# Altium PCB RTD_12POS_WPS.PcbDoc (part 1 of 2) (continued)
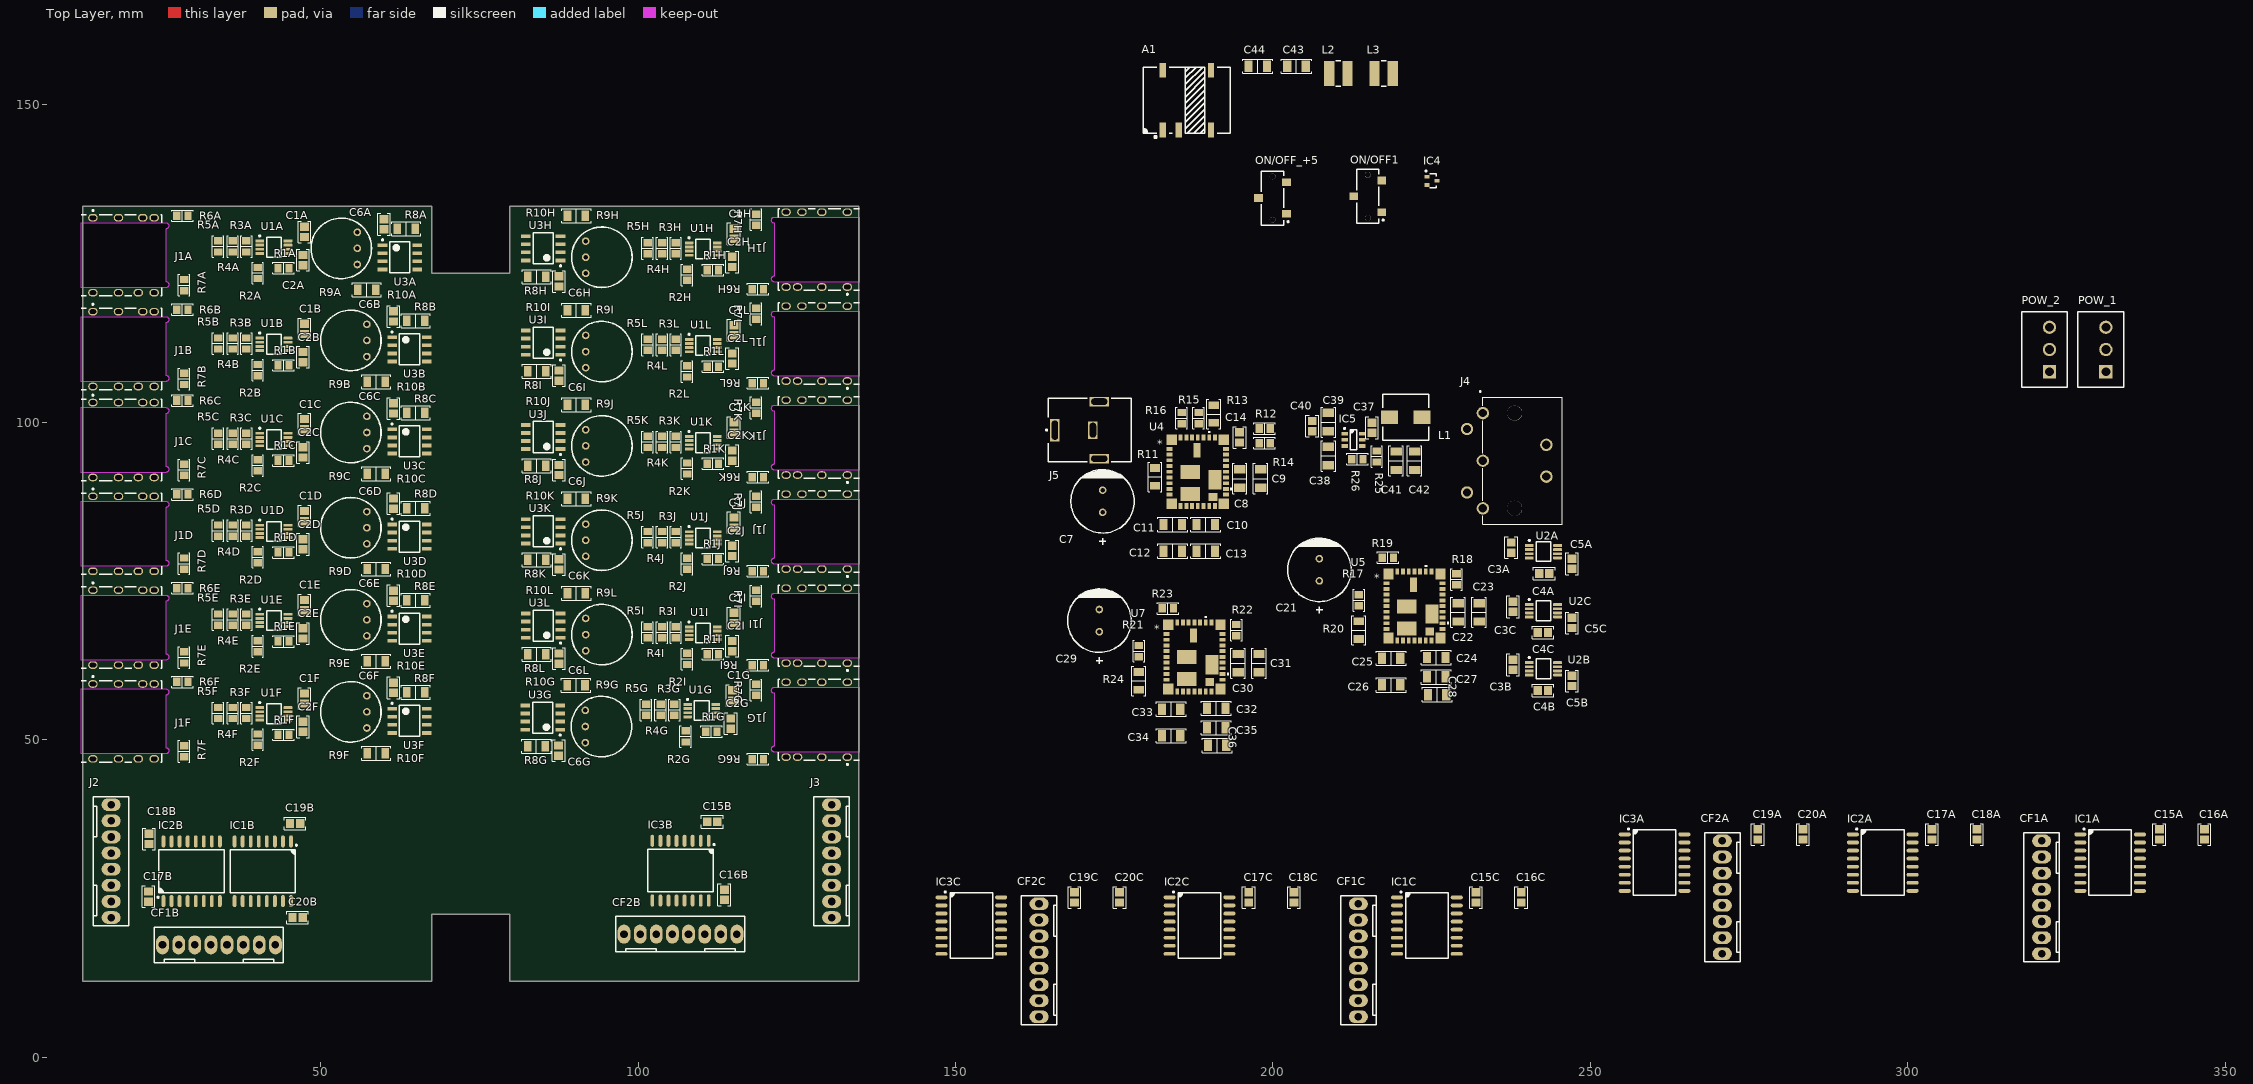
[diagram p0: Top Layer view]
## Components (designator, comment, footprint, x,y, rotation, side; value= is the part's Value field where it differs from the comment)
A1 "NXJ1S0505MC-R7" "MURATA NXJ1" 187.706,150.749 r0 top
C1A "0.1uF" "CAP 0805/2012" 47.464,130.009 r270 top (schematic designator C1)
C1B "0.1uF" "CAP 0805/2012" 47.464,114.715 r270 top (schematic designator C1)
C1C "0.1uF" "CAP 0805/2012" 47.464,99.715 r270 top (schematic designator C1)
C1D "0.1uF" "CAP 0805/2012" 47.464,85.245 r270 top (schematic designator C1)
C1E "0.1uF" "CAP 0805/2012" 47.464,71.215 r270 top (schematic designator C1)
C1F "0.1uF" "CAP 0805/2012" 47.464,56.509 r270 top (schematic designator C1)
C1G "0.1uF" "CAP 0805/2012" 114.859,57.009 r270 top (schematic designator C1)
C1H "0.1uF" "CAP 0805/2012" 115.089,129.715 r270 top
C1I "0.1uF" "CAP 0805/2012" 115.089,69.215 r270 top (schematic designator C1)
C1J "0.1uF" "CAP 0805/2012" 115.089,84.215 r270 top
C1K "0.1uF" "CAP 0805/2012" 115.089,99.215 r270 top (schematic designator C1)
C1L "0.1uF" "CAP 0805/2012" 115.089,114.509 r270 top
C2A "0.1uF" "CAP 0805/2012" 47.21,125.564 r90 top (schematic designator C2)
C2B "0.1uF" "CAP 0805/2012" 47.21,110.27 r90 top (schematic designator C2)
C2C "0.1uF" "CAP 0805/2012" 47.21,95.27 r90 top (schematic designator C2)
C2D "0.1uF" "CAP 0805/2012" 47.21,80.8 r90 top (schematic designator C2)
C2E "0.1uF" "CAP 0805/2012" 47.21,66.77 r90 top (schematic designator C2)
C2F "0.1uF" "CAP 0805/2012" 47.21,52.064 r90 top (schematic designator C2)
C2G "0.1uF" "CAP 0805/2012" 114.605,52.564 r90 top (schematic designator C2)
C2H "0.1uF" "CAP 0805/2012" 114.835,125.27 r90 top
C2I "0.1uF" "CAP 0805/2012" 114.835,64.77 r90 top (schematic designator C2)
C2J "0.1uF" "CAP 0805/2012" 114.835,79.77 r90 top
C2K "0.1uF" "CAP 0805/2012" 114.835,94.77 r90 top (schematic designator C2)
C2L "0.1uF" "CAP 0805/2012" 114.835,110.064 r90 top
C3A "1uF" "CAP 0805/2012" 237.541,80.273 r90 top (schematic designator C3)
C3B "1uF" "CAP 0805/2012" 237.814,61.82 r90 top (schematic designator C3)
C3C "1uF" "CAP 0805/2012" 237.814,70.964 r90 top (schematic designator C3)
C4A "1uF" "CAP 0805/2012" 242.736,76.209 r0 top (schematic designator C4)
C4B "1uF" "CAP 0805/2012" 242.513,57.756 r0 top (schematic designator C4)
C4C "1uF" "CAP 0805/2012" 242.513,66.9 r0 top (schematic designator C4)
C5A "1uF" "CAP 0805/2012" 247.085,77.733 r90 top (schematic designator C5)
C5B "1uF" "CAP 0805/2012" 247.085,59.28 r90 top (schematic designator C5)
C5C "1uF" "CAP 0805/2012" 247.085,68.424 r90 top (schematic designator C5)
C6A "0.1uF" "CAP 0805/2012" 60,131.2 r270 top (schematic designator C6)
C6B "0.1uF" "CAP 0805/2012" 61.5,116.7 r270 top (schematic designator C6)
C6C "0.1uF" "CAP 0805/2012" 61.5,102.2 r270 top (schematic designator C6)
C6D "0.1uF" "CAP 0805/2012" 61.5,87.2 r270 top (schematic designator C6)
C6E "0.1uF" "CAP 0805/2012" 61.5,72.7 r270 top (schematic designator C6)
C6F "0.1uF" "CAP 0805/2012" 61.5,58.2 r270 top (schematic designator C6)
C6G "0.1uF" "CAP 0805/2012" 87.5,48.3 r90 top (schematic designator C6)
C6H "0.1uF" "CAP 0805/2012" 87.557,122.217 r90 top
C6I "0.1uF" "CAP 0805/2012" 87.557,107.358 r90 top (schematic designator C6)
C6J "0.1uF" "CAP 0805/2012" 87.557,92.499 r90 top
C6K "0.1uF" "CAP 0805/2012" 87.557,77.64 r90 top (schematic designator C6)
C6L "0.1uF" "CAP 0805/2012" 87.557,62.781 r90 top
C7 "22uF" "CAP AL TH D8 L3.5 H11.5" 173.171,85.823 r90 top
C8 "4.7uF" "CAP 1206/3216 - 1.0MM" 194.761,91.157 r270 top
C9 "4.7uF" "CAP 1206/3216 - 1.0MM" 198.063,91.157 r270 top
C10 "22uF" "CAP 1206/3216" 189.427,83.918 r180 top
C11 "22uF" "CAP 1206/3216" 184.22,83.918 r0 top
C12 "22uF" "CAP 1206/3216" 184.22,79.727 r0 top
C13 "22uF" "CAP 1206/3216" 189.427,79.727 r180 top
C14 "0.022uF" "CAP 0805/2012" 194.761,97.634 r270 top
C15A "0.1uF" "CAP 0805/2012" 339.614,35.1 r90 top (schematic designator C15)
C15B "0.1uF" "CAP 0805/2012" 111.695,37.1 r180 top
C15C "0.1uF" "CAP 0805/2012" 231.998,25.182 r90 top (schematic designator C15)
C16A "0.1uF" "CAP 0805/2012" 346.726,35.1 r90 top (schematic designator C16)
C16B "0.1uF" "CAP 0805/2012" 113.595,25.6 r90 top
C16C "0.1uF" "CAP 0805/2012" 239.11,25.182 r90 top (schematic designator C16)
C17A "0.1uF" "CAP 0805/2012" 303.8,35.1 r90 top (schematic designator C17)
C17B "0.1uF" "CAP 0805/2012" 22.895,25.3 r270 top
C17C "0.1uF" "CAP 0805/2012" 196.184,25.182 r90 top (schematic designator C17)
C18A "0.1uF" "CAP 0805/2012" 310.912,35.1 r90 top (schematic designator C18)
C18B "0.1uF" "CAP 0805/2012" 22.995,34.4 r90 top
C18C "0.1uF" "CAP 0805/2012" 203.296,25.182 r90 top (schematic designator C18)
C19A "0.1uF" "CAP 0805/2012" 276.368,35.1 r90 top (schematic designator C19)
C19B "0.1uF" "CAP 0805/2012" 45.995,36.8 r180 top
C19C "0.1uF" "CAP 0805/2012" 168.752,25.182 r90 top (schematic designator C19)
C20A "0.1uF" "CAP 0805/2012" 283.48,35.1 r90 top (schematic designator C20)
C20B "0.1uF" "CAP 0805/2012" 46.395,22 r180 top
C20C "0.1uF" "CAP 0805/2012" 175.864,25.182 r90 top (schematic designator C20)
C21 "22uF" "CAP AL TH D8 L3.5 H11.5" 207.32,75.028 r90 top
C22 "4.7uF" "CAP 1206/3216 - 1.0MM" 229.164,70.075 r270 top
C23 "4.7uF" "CAP 1206/3216 - 1.0MM" 232.466,70.075 r270 top
C24 "2.2uF" "CAP 1206/3216" 225.735,62.963 r0 top
C25 "22uF" "CAP 1206/3216" 218.623,62.836 r0 top
C26 "22uF" "CAP 1206/3216" 218.623,58.645 r0 top
C27 "22uF" "CAP 1206/3216" 225.735,59.915 r180 top
C28 "22uF" "CAP 1206/3216" 225.862,57.121 r180 top
C29 "22uF" "CAP AL TH D8 L3.5 H11.5" 172.663,67.027 r90 top
C30 "4.7uF" "CAP 1206/3216 - 1.0MM" 194.507,62.074 r270 top
C31 "4.7uF" "CAP 1206/3216 - 1.0MM" 197.809,62.074 r270 top
C32 "2.2uF" "CAP 1206/3216" 191.078,54.962 r0 top
C33 "22uF" "CAP 1206/3216" 183.966,54.835 r0 top
C34 "22uF" "CAP 1206/3216" 183.966,50.644 r0 top
C35 "22uF" "CAP 1206/3216" 191.078,51.914 r180 top
C36 "22uF" "CAP 1206/3216" 191.205,49.12 r180 top
C37 "0.1uF" "CAP 0805/2012" 215.589,99.158 r90 top
C38 "10uF" "CAP 1206/3216" 208.731,94.713 r90 top
C39 "10uF" "CAP 1206/3216" 208.731,100.047 r270 top
C40 "0.1uF" "CAP 0805/2012" 206.191,99.412 r270 top
C41 "22uF" "CAP 1206/3216" 219.399,93.951 r90 top
C42 "22uF" "CAP 1206/3216" 222.32,93.951 r90 top
C43 "2.2uF" "CAP 1206/3216" 203.708,156.083 r0 top
C44 "4.7uF" "CAP 1206/3216 - 1.8MM" 197.612,156.083 r0 top
CF1A "0022272081" "MOLEX KK 0022272081" 321.072,25.194 r90 top (schematic designator CF1)
CF1B "0022272081" "MOLEX KK 0022272081" 33.995,17.7 r0 top
CF1C "0022272081" "MOLEX KK 0022272081" 213.456,15.276 r90 top (schematic designator CF1)
CF2A "0022272081" "MOLEX KK 0022272081" 270.78,25.194 r90 top (schematic designator CF2)
CF2B "0022272081" "MOLEX KK 0022272081" 106.685,19.4 r0 top
CF2C "0022272081" "MOLEX KK 0022272081" 163.164,15.276 r90 top (schematic designator CF2)
IC1A "SI8640BD-B-IS" "SI LABS SOIC-16 WIDE" 331.867,30.655 r0 top (schematic designator IC1)
IC1B "SI8640BD-B-IS" "SI LABS SOIC-16 WIDE" 40.895,29.3 r270 top
IC1C "SI8640BD-B-IS" "SI LABS SOIC-16 WIDE" 224.251,20.737 r0 top (schematic designator IC1)
IC2A "SI8640BD-B-IS" "SI LABS SOIC-16 WIDE" 296.053,30.655 r0 top (schematic designator IC2)
IC2B "SI8640BD-B-IS" "SI LABS SOIC-16 WIDE" 29.695,29.3 r90 top
IC2C "SI8640BD-B-IS" "SI LABS SOIC-16 WIDE" 188.437,20.737 r0 top (schematic designator IC2)
IC3A "SI8640BD-B-IS" "SI LABS SOIC-16 WIDE" 260.112,30.655 r0 top (schematic designator IC3)
IC3B "SI8640BD-B-IS" "SI LABS SOIC-16 WIDE" 106.695,29.4 r270 top
IC3C "SI8640BD-B-IS" "SI LABS SOIC-16 WIDE" 152.496,20.737 r0 top (schematic designator IC3)
IC4 "BSS138WH6327XTSA1" "INFINEON SOT-323-3" 225.044,138.049 r0 top
IC5 "TPS563201DDCT" "TI SOT-23-6 DDC" 212.668,97.253 r0 top
J1A "SJ-3506-SMT-TR" CUI-SJ-3506-SMT-TR_V 18.965,126.325 r0 top (schematic designator J1)
J1B "SJ-3506-SMT-TR" CUI-SJ-3506-SMT-TR_V 18.965,111.55 r0 top (schematic designator J1)
J1C "SJ-3506-SMT-TR" CUI-SJ-3506-SMT-TR_V 18.965,97.226 r0 top (schematic designator J1)
J1D "SJ-3506-SMT-TR" CUI-SJ-3506-SMT-TR_V 18.965,82.451 r0 top (schematic designator J1)
J1E "SJ-3506-SMT-TR" CUI-SJ-3506-SMT-TR_V 18.965,67.675 r0 top (schematic designator J1)
J1F "SJ-3506-SMT-TR" CUI-SJ-3506-SMT-TR_V 18.965,52.9 r0 top (schematic designator J1)
J1G "SJ-3506-SMT-TR" CUI-SJ-3506-SMT-TR_V 128.146,53.175 r180 top (schematic designator J1)
J1H "SJ-3506-SMT-TR" CUI-SJ-3506-SMT-TR_V 128.146,127.223 r180 top (schematic designator J1)
J1I "SJ-3506-SMT-TR" CUI-SJ-3506-SMT-TR_V 128.146,67.985 r180 top (schematic designator J1)
J1J "SJ-3506-SMT-TR" CUI-SJ-3506-SMT-TR_V 128.146,82.794 r180 top (schematic designator J1)
J1K "SJ-3506-SMT-TR" CUI-SJ-3506-SMT-TR_V 128.146,97.604 r180 top (schematic designator J1)
J1L "SJ-3506-SMT-TR" CUI-SJ-3506-SMT-TR_V 128.146,112.413 r180 top (schematic designator J1)
J2 "0022272081" "MOLEX KK 0022272081" 17,30.89 r270 top
J3 "0022272081" "MOLEX KK 0022272081" 130.5,30.89 r90 top
J4 "SDS-50J" "CUI SDS-50J" 233.068,93.958 r90 top
J5 "PJ-063AH" CUI-PJ-063AH_V 171.647,98.777 r0 top
L1 "3.3uH" "WURTH WE-HCI 7050" 220.923,100.809 r0 top
L2 "VLCF4024T-4R7N1R4-2" "TDK VLCF4024-2" 210.312,154.94 r0 top value=4.7uH
L3 "VLCF4024T-100MR90-2" "TDK VLCF4024-2" 217.424,154.94 r0 top value=10uH
ON/OFF1 "CL-SB-12B-01T" SW_CL-SB-12B-01 215.392,135.636 r90 top
ON/OFF_+5 "CL-SB-12B-01T" SW_CL-SB-12B-01 200.406,135.382 r90 top
POW_1 "691321100003" 691321100003 330.397,111.477 r90 top
POW_2 "691321100003" 691321100003 321.507,111.477 r90 top
R1A "4.99k" "RES 0805/2012" 44.162,124.294 r0 top (schematic designator R1)
R1B "4.99k" "RES 0805/2012" 44.162,109 r0 top (schematic designator R1)
R1C "4.99k" "RES 0805/2012" 44.162,94 r0 top (schematic designator R1)
R1D "4.99k" "RES 0805/2012" 44.162,79.53 r0 top (schematic designator R1)
R1E "4.99k" "RES 0805/2012" 44.162,65.5 r0 top (schematic designator R1)
R1F "4.99k" "RES 0805/2012" 44.162,50.794 r0 top (schematic designator R1)
R1G "4.99k" "RES 0805/2012" 111.557,51.294 r0 top (schematic designator R1)
R1H "4.99k" "RES 0805/2012" 111.787,124 r0 top
R1I "4.99k" "RES 0805/2012" 111.787,63.5 r0 top (schematic designator R1)
R1J "4.99k" "RES 0805/2012" 111.787,78.5 r0 top
R1K "4.99k" "RES 0805/2012" 111.787,93.5 r0 top (schematic designator R1)
R1L "4.99k" "RES 0805/2012" 111.787,108.794 r0 top
R2A "4.99k" "RES 0805/2012" 40.098,123.532 r90 top (schematic designator R2)
R2B "4.99k" "RES 0805/2012" 40.098,108.238 r90 top (schematic designator R2)
R2C "4.99k" "RES 0805/2012" 40.098,93.238 r90 top (schematic designator R2)
R2D "4.99k" "RES 0805/2012" 40.098,78.768 r90 top (schematic designator R2)
R2E "4.99k" "RES 0805/2012" 40.098,64.738 r90 top (schematic designator R2)
R2F "4.99k" "RES 0805/2012" 40.098,50.032 r90 top (schematic designator R2)
R2G "4.99k" "RES 0805/2012" 107.493,50.532 r90 top (schematic designator R2)
R2H "4.99k" "RES 0805/2012" 107.723,123.238 r90 top
R2I "4.99k" "RES 0805/2012" 107.723,62.738 r90 top (schematic designator R2)
R2J "4.99k" "RES 0805/2012" 107.723,77.738 r90 top
R2K "4.99k" "RES 0805/2012" 107.723,92.738 r90 top (schematic designator R2)
R2L "4.99k" "RES 0805/2012" 107.723,108.032 r90 top
R3A "118" "RES 0805/2012" 38.32,127.723 r90 top (schematic designator R3)
R3B "118" "RES 0805/2012" 38.32,112.429 r90 top (schematic designator R3)
R3C "118" "RES 0805/2012" 38.32,97.429 r90 top (schematic designator R3)
R3D "118" "RES 0805/2012" 38.32,82.959 r90 top (schematic designator R3)
R3E "118" "RES 0805/2012" 38.32,68.929 r90 top (schematic designator R3)
R3F "118" "RES 0805/2012" 38.32,54.223 r90 top (schematic designator R3)
R3G "118" "RES 0805/2012" 105.715,54.723 r90 top (schematic designator R3)
R3H "118" "RES 0805/2012" 105.945,127.429 r90 top
R3I "118" "RES 0805/2012" 105.945,66.929 r90 top (schematic designator R3)
R3J "118" "RES 0805/2012" 105.945,81.929 r90 top
R3K "118" "RES 0805/2012" 105.945,96.929 r90 top (schematic designator R3)
R3L "118" "RES 0805/2012" 105.945,112.223 r90 top
R4A "107" "RES 0805/2012" 36.161,127.723 r90 top (schematic designator R4)
R4B "107" "RES 0805/2012" 36.161,112.429 r90 top (schematic designator R4)
R4C "107" "RES 0805/2012" 36.161,97.429 r90 top (schematic designator R4)
R4D "107" "RES 0805/2012" 36.161,82.959 r90 top (schematic designator R4)
R4E "107" "RES 0805/2012" 36.161,68.929 r90 top (schematic designator R4)
R4F "107" "RES 0805/2012" 36.161,54.223 r90 top (schematic designator R4)
R4G "107" "RES 0805/2012" 103.556,54.723 r90 top (schematic designator R4)
R4H "107" "RES 0805/2012" 103.786,127.429 r90 top
R4I "107" "RES 0805/2012" 103.786,66.929 r90 top (schematic designator R4)
R4J "107" "RES 0805/2012" 103.786,81.929 r90 top
R4K "107" "RES 0805/2012" 103.786,96.929 r90 top (schematic designator R4)
R4L "107" "RES 0805/2012" 103.786,112.223 r90 top
R5A "10.2k" "RES 0805/2012" 33.875,127.723 r90 top (schematic designator R5)
R5B "10.2k" "RES 0805/2012" 33.875,112.429 r90 top (schematic designator R5)
R5C "10.2k" "RES 0805/2012" 33.875,97.429 r90 top (schematic designator R5)
R5D "10.2k" "RES 0805/2012" 33.875,82.959 r90 top (schematic designator R5)
R5E "10.2k" "RES 0805/2012" 33.875,68.929 r90 top (schematic designator R5)
R5F "10.2k" "RES 0805/2012" 33.875,54.223 r90 top (schematic designator R5)
R5G "10.2k" "RES 0805/2012" 101.27,54.723 r90 top (schematic designator R5)
R5H "10.2k" "RES 0805/2012" 101.5,127.429 r90 top
R5I "10.2k" "RES 0805/2012" 101.5,66.929 r90 top (schematic designator R5)
R5J "10.2k" "RES 0805/2012" 101.5,81.929 r90 top
R5K "10.2k" "RES 0805/2012" 101.5,96.929 r90 top (schematic designator R5)
R5L "10.2k" "RES 0805/2012" 101.5,112.223 r90 top
R6A "15.8k" "RES 0805/2012" 28.236,132.548 r180 top (schematic designator R6)
R6B "15.8k" "RES 0805/2012" 28.236,117.773 r180 top (schematic designator R6)
R6C "15.8k" "RES 0805/2012" 28.236,103.449 r180 top (schematic designator R6)
R6D "15.8k" "RES 0805/2012" 28.236,88.674 r180 top (schematic designator R6)
R6E "15.8k" "RES 0805/2012" 28.236,73.898 r180 top (schematic designator R6)
R6F "15.8k" "RES 0805/2012" 28.236,59.123 r180 top (schematic designator R6)
R6G "15.8k" "RES 0805/2012" 118.875,46.952 r0 top (schematic designator R6)
R6H "15.8k" "RES 0805/2012" 118.875,121 r0 top (schematic designator R6)
R6I "15.8k" "RES 0805/2012" 118.875,61.762 r0 top (schematic designator R6)
R6J "15.8k" "RES 0805/2012" 118.875,76.571 r0 top (schematic designator R6)
R6K "15.8k" "RES 0805/2012" 118.875,91.381 r0 top (schematic designator R6)
R6L "15.8k" "RES 0805/2012" 118.875,106.19 r0 top (schematic designator R6)
R7A "15.8k" "RES 0805/2012" 28.5,121.625 r270 top (schematic designator R7)
R7B "15.8k" "RES 0805/2012" 28.5,106.85 r270 top (schematic designator R7)
R7C "15.8k" "RES 0805/2012" 28.5,92.526 r270 top (schematic designator R7)
R7D "15.8k" "RES 0805/2012" 28.5,77.751 r270 top (schematic designator R7)
R7E "15.8k" "RES 0805/2012" 28.5,62.975 r270 top (schematic designator R7)
R7F "15.8k" "RES 0805/2012" 28.5,48.2 r270 top (schematic designator R7)
R7G "15.8k" "RES 0805/2012" 118.611,57.875 r90 top (schematic designator R7)
R7H "15.8k" "RES 0805/2012" 118.611,131.923 r90 top (schematic designator R7)
R7I "15.8k" "RES 0805/2012" 118.611,72.685 r90 top (schematic designator R7)
R7J "15.8k" "RES 0805/2012" 118.611,87.494 r90 top (schematic designator R7)
R7K "15.8k" "RES 0805/2012" 118.611,102.304 r90 top (schematic designator R7)
R7L "15.8k" "RES 0805/2012" 118.611,117.113 r90 top (schematic designator R7)
R8A "1k" "RES 1206/3216" 63.5,130.5 r0 top (schematic designator R8)
R8B "1k" "RES 1206/3216" 65,116 r0 top (schematic designator R8)
R8C "1k" "RES 1206/3216" 65,101.5 r0 top (schematic designator R8)
R8D "1k" "RES 1206/3216" 65,86.5 r0 top (schematic designator R8)
R8E "1k" "RES 1206/3216" 65,72 r0 top (schematic designator R8)
R8F "1k" "RES 1206/3216" 65,57.5 r0 top (schematic designator R8)
R8G "1k" "RES 1206/3216" 84,49 r180 top (schematic designator R8)
R8H "1k" "RES 1206/3216" 84.057,122.917 r180 top
R8I "1k" "RES 1206/3216" 84.057,108.058 r180 top (schematic designator R8)
R8J "1k" "RES 1206/3216" 84.057,93.199 r180 top
R8K "1k" "RES 1206/3216" 84.057,78.34 r180 top (schematic designator R8)
R8L "1k" "RES 1206/3216" 84.057,63.481 r180 top
R9A "20k" "POT MODEL91A" 53.26,127.405 r90 top (schematic designator R9)
R9B "20k" "POT MODEL91A" 54.76,112.905 r90 top (schematic designator R9)
R9C "20k" "POT MODEL91A" 54.76,98.405 r90 top (schematic designator R9)
R9D "20k" "POT MODEL91A" 54.76,83.405 r90 top (schematic designator R9)
R9E "20k" "POT MODEL91A" 54.76,68.905 r90 top (schematic designator R9)
R9F "20k" "POT MODEL91A" 54.76,54.405 r90 top (schematic designator R9)
R9G "20k" "POT MODEL91A" 94.24,52.095 r270 top (schematic designator R9)
R9H "20k" "POT MODEL91A" 94.297,126.012 r270 top
R9I "20k" "POT MODEL91A" 94.297,111.153 r270 top (schematic designator R9)
R9J "20k" "POT MODEL91A" 94.297,96.294 r270 top
R9K "20k" "POT MODEL91A" 94.297,81.435 r270 top (schematic designator R9)
R9L "20k" "POT MODEL91A" 94.297,66.576 r270 top
R10A "510k" "RES 1206/3216" 57.26,120.905 r0 top (schematic designator R10)
R10B "510k" "RES 1206/3216" 58.76,106.405 r0 top (schematic designator R10)
R10C "510k" "RES 1206/3216" 58.76,91.905 r0 top (schematic designator R10)
R10D "510k" "RES 1206/3216" 58.76,76.905 r0 top (schematic designator R10)
R10E "510k" "RES 1206/3216" 58.76,62.405 r0 top (schematic designator R10)
R10F "510k" "RES 1206/3216" 58.76,47.905 r0 top (schematic designator R10)
R10G "510k" "RES 1206/3216" 90.24,58.595 r180 top (schematic designator R10)
R10H "510k" "RES 1206/3216" 90.297,132.512 r180 top
R10I "510k" "RES 1206/3216" 90.297,117.653 r180 top (schematic designator R10)
R10J "510k" "RES 1206/3216" 90.297,102.794 r180 top
R10K "510k" "RES 1206/3216" 90.297,87.935 r180 top (schematic designator R10)
R10L "510k" "RES 1206/3216" 90.297,73.076 r180 top
R11 "0.0" "RES 1206/3216" 181.426,91.411 r90 top
R12 "174k" "RES 0805/2012" 198.698,99.031 r0 top
R13 "267k" "RES 1206/3216" 190.697,101.317 r270 top
R14 "15.8k" "RES 0805/2012" 198.698,96.745 r180 top
R15 "15.8k" "RES 0805/2012" 188.284,100.682 r90 top
R16 "140k" "RES 0805/2012" 185.617,100.682 r90 top
R17 "174k" "RES 0805/2012" 213.543,71.98 r90 top
R18 "24.3k" "RES 0805/2012" 228.91,75.282 r270 top
R19 "52.3k" "RES 0805/2012" 218.115,78.711 r180 top
R20 "0.0" "RES 1206/3216" 213.543,67.281 r270 top
R21 "174k" "RES 0805/2012" 178.886,63.979 r90 top
R22 "24.3k" "RES 0805/2012" 194.253,67.281 r270 top
R23 "140k" "RES 0805/2012" 183.458,70.71 r180 top
R24 "0.0" "RES 1206/3216" 178.886,59.28 r270 top
R25 "54.9k" "RES 0805/2012" 216.351,94.626 r270 top
R26 "10k" "RES 0805/2012" 213.303,94.205 r0 top
U1A "INA826AIDGKR" DGK0008A_N 42.638,127.596 r0 top (schematic designator U1)
U1B "INA826AIDGKR" DGK0008A_N 42.638,112.302 r0 top (schematic designator U1)
U1C "INA826AIDGKR" DGK0008A_N 42.638,97.302 r0 top (schematic designator U1)
U1D "INA826AIDGKR" DGK0008A_N 42.638,82.832 r0 top (schematic designator U1)
U1E "INA826AIDGKR" DGK0008A_N 42.638,68.802 r0 top (schematic designator U1)
U1F "INA826AIDGKR" DGK0008A_N 42.638,54.096 r0 top (schematic designator U1)
U1G "INA826AIDGKR" DGK0008A_N 110.033,54.596 r0 top (schematic designator U1)
U1H "INA826AIDGKR" DGK0008A_N 110.263,127.302 r0 top
U1I "INA826AIDGKR" DGK0008A_N 110.263,66.802 r0 top (schematic designator U1)
U1J "INA826AIDGKR" DGK0008A_N 110.263,81.802 r0 top
U1K "INA826AIDGKR" DGK0008A_N 110.263,96.802 r0 top (schematic designator U1)
U1L "INA826AIDGKR" DGK0008A_N 110.263,112.096 r0 top
U2A "REF5050IDGKT" DGK0008A_N 242.602,79.638 r0 top (schematic designator U2)
U2B "REF5050IDGKT" DGK0008A_N 242.602,61.185 r0 top (schematic designator U2)
U2C "REF5050IDGKT" DGK0008A_N 242.602,70.329 r0 top (schematic designator U2)
U3A "LM311DR2G" ONSC-SOIC-8-751-07_V 62.5,126 r0 top (schematic designator U3)
U3B "LM311DR2G" ONSC-SOIC-8-751-07_V 64,111.5 r0 top (schematic designator U3)
U3C "LM311DR2G" ONSC-SOIC-8-751-07_V 64,97 r0 top (schematic designator U3)
U3D "LM311DR2G" ONSC-SOIC-8-751-07_V 64,82 r0 top (schematic designator U3)
U3E "LM311DR2G" ONSC-SOIC-8-751-07_V 64,67.5 r0 top (schematic designator U3)
U3F "LM311DR2G" ONSC-SOIC-8-751-07_V 64,53 r0 top (schematic designator U3)
U3G "LM311DR2G" ONSC-SOIC-8-751-07_V 85,53.5 r180 top (schematic designator U3)
U3H "LM311DR2G" ONSC-SOIC-8-751-07_V 85.057,127.417 r180 top
U3I "LM311DR2G" ONSC-SOIC-8-751-07_V 85.057,112.558 r180 top (schematic designator U3)
U3J "LM311DR2G" ONSC-SOIC-8-751-07_V 85.057,97.699 r180 top
U3K "LM311DR2G" ONSC-SOIC-8-751-07_V 85.057,82.84 r180 top (schematic designator U3)
U3L "LM311DR2G" ONSC-SOIC-8-751-07_V 85.057,67.981 r180 top
U4 "LMZ34003" RKG41 188.165,92.227 r0 top value=Value
U5 "LMZ34002RKGT" RKG41 222.281,71.069 r0 top value=Value
U7 "LMZ34002RKGT" RKG41 187.624,63.068 r0 top value=Value

## Footprints (in the part's own frame and the unit in brackets; to place one, negate y for a bottom-side part, rotate by r counter-clockwise, add the part's x,y. Pads: shape width x height; smd on the part's side, far side on the other; paste and mask are expansions set on the pad)
691321100003 [mm] "Vertical PCB Header, pitch 3.5mm, 03p"
  rect 2.1x2.1 hole 1.4: 1(-3.5,-0.8)
  round 2.1 hole 1.4: 2(0,-0.8) 3(3.5,-0.8)
  silkscreen extent -5.95,-3.6 5.95,3.6, body extent -5.95,-3.6 5.95,3.6, height 9.3
"CAP 0805/2012" [mm] "Chip Capacitor, 2-Leads, Body 2.00x1.20mm, IPC Medium Density"
  rect 1.3x1.4 smd: 1(-0.8,0) 2(0.8,0)
  silkscreen extent -1.7,-1 1.7,1, body extent -1,-0.64 1,0.64, height 1.26
"CAP 1206/3216" [mm] "Chip Capacitor, 2-Leads, Body 3.25x1.60mm, IPC Medium Density"
  rect 1.3x1.8 smd: 1(-1.45,0) 2(1.45,0)
  silkscreen extent -2.37,-1.12 2.37,1.12, body extent -1.6,-0.81 1.6,0.81, height 1.62
"CAP 1206/3216 - 1.0MM" [mm] "Chip Capacitor, 2-Leads, Body 3.25x1.60mm, IPC Medium Density"
  rect 1.3x1.8 smd: 1(-1.45,0) 2(1.45,0)
  silkscreen extent -2.37,-1.12 2.37,1.12, body extent -1.6,-0.8 1.6,0.8, height 1
"CAP 1206/3216 - 1.8MM" [mm] "Chip Capacitor, 2-Leads, Body 3.25x1.60mm, IPC Medium Density"
  rect 1.3x1.8 smd: 1(-1.45,0) 2(1.45,0)
  silkscreen extent -2.37,-1.12 2.37,1.12, body extent -1.6,-0.8 1.6,0.8, height 1.8
"CAP AL TH D8 L3.5 H11.5" [mm]
  round 1.2 hole 0.7: 1(0,0) 2(3.5,0)
  silkscreen extent -5.06,-5 6.75,5
"CUI SDS-50J" [mm]
  round 1.95 hole 1.3: 1(7.5,0) 2(0,0) 3(-7.5,0) 4(5,2.5) 5(-5,2.5) S1(-2.5,-10) S2(2.5,-10)
  round 2.4 hole 2.4 unplated: None(-7.5,-5) None(7.5,-5)
  silkscreen extent -10,-12.5 11,0.5, body extent -10,-12.5 10,3, height 21.2
CUI-PJ-063AH_V [mm] "THD, 2-Leads, Body 13x10mm, Height 9mm"
  rect 1.5x3.5 hole 1 slot 3 at 90 deg: 1(-6,0)
  rect 1.5x2.8 hole 1 slot 2.3 at 90 deg: 2(0,0)
  rect 3x1.5 hole 1 slot 2.5 at 0 deg: 3(1,4.5) 4(1,-4.5)
  round 1.4 hole 1.7 unplated: 5(3,0)
  silkscreen extent -7.42,-5 6,5, body extent -7,-5.15 6,5.15, height 9
CUI-SJ-3506-SMT-TR_V [mm] "Jack, 6-Leads, Body 15.4x12.8mm"
  oval 1.5x1.2 hole 0.7 slot 1 at 0 deg unplated paste-1: 1(-4.825,5.9) 2(3.025,5.9) 3(4.825,-5.9) 4(2.325,-5.9) 5(-4.825,-5.9) 6(4.825,5.9) 7(-0.795,5.9) 8(-0.795,-5.9)
  Keep-Out Layer board cut-out: -6.675,5.125 6.625,5.125 6.671,5.123 6.716,5.117 6.76,5.106 6.803,5.092 6.846,5.074 6.886,5.052 6.924,5.026 6.959,4.997 6.98,4.977 6.999,4.957 7.034,4.913 7.062,4.867 7.085,4.821 7.103,4.773 7.115,4.724 7.123,4.675 7.125,4.625 7.123,4.581 7.117,4.537 7.107,4.493 7.094,4.45 7.076,4.408 7.054,4.369 7.042,4.349 7.029,4.33 7.001,4.295 6.983,4.276 6.964,4.258 6.944,4.24 6.923,4.224 6.902,4.209 6.88,4.195 6.833,4.17 6.808,4.16 6.783,4.15 6.757,4.143 6.731,4.136 6.705,4.131 6.678,4.128 6.652,4.126 6.625,4.125 6.625,-4.125 6.65,-4.126 6.674,-4.127 6.723,-4.135 6.772,-4.147 6.817,-4.163 6.863,-4.185 6.907,-4.212 6.947,-4.242 6.983,-4.275 7.017,-4.314 7.046,-4.355 7.071,-4.398 7.081,-4.421 7.091,-4.443 7.099,-4.465 7.106,-4.488 7.117,-4.534 7.123,-4.581 7.125,-4.625 7.123,-4.671 7.117,-4.717 7.106,-4.762 7.092,-4.805 7.072,-4.849 7.06,-4.871 7.047,-4.892 7.034,-4.912 7.02,-4.932 6.989,-4.968 6.971,-4.986 6.952,-5.004 6.933,-5.019 6.912,-5.035 6.891,-5.049 6.869,-5.061 6.847,-5.073 6.824,-5.084 6.801,-5.093 6.777,-5.101 6.752,-5.109 6.727,-5.115 6.702,-5.119 6.677,-5.122 6.651,-5.124 6.625,-5.125 -6.675,-5.125
  silkscreen extent -6.67,-6.4 6.03,7.17, body extent -9.37,-6.4 6.03,6.4, height 3.26
DGK0008A_N [mm] "TSOP, 8-Leads, Body 3.1x3.1mm, Pitch 0.65mm, IPC Medium Density"
  rrect22% 1.35x0.45 smd: 1(-2.225,0.975) 2(-2.225,0.325) 3(-2.225,-0.325) 4(-2.225,-0.975) 5(2.225,-0.975) 6(2.225,-0.325) 7(2.225,0.325) 8(2.225,0.975)
  silkscreen extent -2.35,-1.55 1.15,1.9, body extent -2.45,-1.5 2.45,1.5, height 0.94
"INFINEON SOT-323-3" [mm] "SOT323, 3-Leads, Body 2.00x2.10mm, Pitch 0.65mm, IPC Medium Density"
  rect 0.8x0.6 smd: 1(-0.8,0.65) 2(0.8,0) 3(-0.8,-0.65)
  silkscreen extent -1.07,-1.1 0.67,1.67, body extent -1.06,-1 1.06,1, height 1
"MOLEX KK 0022272081" [mm]
  oval 2x3 hole 1.2: 1(-8.89,0) 2(-6.35,0) 3(-3.81,0) 4(-1.27,0) 5(1.27,0) 6(3.81,0) 7(6.35,0) 8(8.89,0)
  silkscreen extent -10.16,-2.79 10.16,2.79, body extent -10.16,-2.9 10.16,2.9, height 11.7
"MURATA NXJ1" [mm]
  rect 1x2.3 smd: 1(-5.08,-4.7) 3(-2.54,-4.7) 7(2.54,-4.7) 8(2.54,4.7) 14(-5.08,4.7)
  silkscreen extent -8.12,-5.9 5.6,5.21, body extent -8.13,-5.23 5.59,5.23, height 4.22
ONSC-SOIC-8-751-07_V [mm] "SOIC, 8-Leads, Body 4.9x3.9mm, Pitch 1.27mm"
  rect 1.52x0.6 smd: 1(-2.74,1.905) 2(-2.74,0.635) 3(-2.74,-0.635) 4(-2.74,-1.905) 5(2.74,-1.905) 6(2.74,-0.635) 7(2.74,0.635) 8(2.74,1.905)
  silkscreen extent -2.86,-2.45 1.58,2.88, body extent -1.95,-2.45 1.95,2.45, height 1.75
"POT MODEL91A" [mm]
  round 1.2 hole 0.7: 1(-2.54,-2.54) 2(0,-2.54) 3(2.54,-2.54)
  silkscreen extent -4.76,-4.76 4.76,4.76, body extent -4.68,-4.88 4.68,4.7, height 4.89
"RES 0805/2012" [mm] "Chip Resistor, 2-Leads, Body 2.00x1.25mm, IPC Medium Density"
  rect 1.15x1.35 smd: 1(-0.875,0) 2(0.875,0)
  silkscreen extent -1.7,-0.9 1.7,0.9, body extent -0.95,-0.62 1.05,0.63, height 0.6
"RES 1206/3216" [mm] "Chip Resistor, 2-Leads, Body 3.13x1.55mm, IPC Medium Density"
  rect 1.2x1.65 smd: 1(-1.4,0) 2(1.4,0)
  silkscreen extent -2.3,-1.1 2.3,1.1, body extent -1.57,-0.8 1.62,0.8, height 0.6
RKG41 [mm]
  rect 1.6x1.7 smd paste-0.837: 1(-4.1,5.05) 11(-4.1,-5.05) 19(4.1,-5.05) 29(4.1,5.05)
  rect 0.95x0.6 smd paste-0.3: 2(-4.42,3.6) 3(-4.42,2.7) 4(-4.42,1.8) 5(-4.42,0.9) 6(-4.42,0) 7(-4.42,-0.9) 8(-4.42,-1.8) 9(-4.42,-2.7) 10(-4.42,-3.6) 20(4.42,-3.6) 21(4.42,-2.7) 22(4.42,-1.8) 23(4.42,-0.9) 24(4.42,0) 25(4.42,0.9) 26(4.42,1.8) 27(4.42,2.7) 28(4.42,3.6)
  rect 0.6x0.95 smd paste-0.3: 12(-2.7,-5.425) 13(-1.8,-5.425) 14(-0.9,-5.425) 15(0,-5.425) 16(0.9,-5.425) 17(1.8,-5.425) 18(2.7,-5.425) 30(2.7,5.425) 31(1.8,5.425) 32(0.9,5.425) 33(0,5.425) 34(-0.9,5.425) 35(-1.8,5.425) 36(-2.7,5.425)
  rect 1.1x2.25 smd paste-1.112: 37(-0.135,3.375)
  rect 3.1x2.2 smd paste-1.537: 38(-1.195,-0.035) 39(-1.195,-3.515)
  rect 1.4x1.24 smd paste-0.687: 40(2.425,-3.985)
  rect 2.04x3.05 smd paste-1.512: 41(2.745,-1.245)
  silkscreen extent 1.61,-2.89 5.4,6.41, body extent 0,0 0.25,0.25, height 0.25
"SI LABS SOIC-16 WIDE" [mm] "SOIC, 16-Leads, Body 10.30x7.50mm, Pitch 1.27mm, IPC Medium Density"
  oval 1.9x0.6 smd: 1(-4.7,4.445) 2(-4.7,3.175) 3(-4.7,1.905) 4(-4.7,0.635) 5(-4.7,-0.635) 6(-4.7,-1.905) 7(-4.7,-3.175) 8(-4.7,-4.445) 9(4.7,-4.445) 10(4.7,-3.175) 11(4.7,-1.905) 12(4.7,-0.635) 13(4.7,0.635) 14(4.7,1.905) 15(4.7,3.175) 16(4.7,4.445)
  silkscreen extent -4.22,-5.15 3.35,5.42, body extent -5.16,-5.15 5.16,5.15, height 2.65
SW_CL-SB-12B-01 [mm]
  rect 1.2x1.4 smd: 1(-2.544,-1.743) 2(-0.044,2.657) 3(2.456,-1.743)
  round 0.9 hole 0.9 unplated: MH1(-3.444,0.457) MH2(3.356,0.457)
  silkscreen extent -4.29,-2.11 4.21,2.21, body extent -4.29,-1.29 4.21,2.21, height 5.5
"TDK VLCF4024-2" [mm] "Precision Wire Wound Inductor, 2-Leads, Body 4.00x4.00mm, IPC Medium Density"
  rect 1.6x3.9 smd: 1(-1.45,0) 2(1.45,0)
  silkscreen extent -0.4,-2 0.4,2, body extent -2.05,-2 2.05,2, height 2.4
"TI SOT-23-6 DDC" [mm] "SOT23, 6-Leads, Body 2.90x2.80mm, Pitch 0.95mm, IPC Medium Density"
  rect 1x0.6 smd: 1(-1.375,0.95) 2(-1.375,0) 3(-1.375,-0.95) 4(1.375,-0.95) 5(1.375,0) 6(1.375,0.95)
  silkscreen extent -1.5,-1.55 0.5,1.92, body extent -1.19,-1.45 1.19,1.45, height 1
"WURTH WE-HCI 7050" [mm]
  rect 2.7x2.2 smd: 1(-2.55,0) 2(2.55,0)
  silkscreen extent -3.6,-3.6 3.6,3.6, body extent -3.49,-3.45 3.49,3.45, height 5